# Altium PCB DSD_SDR_MainBoard_Quad.PcbDoc (part 1 of 2)
Units mm, origin at the board's own origin, x right, y up, seen from the top; angles counter-clockwise.
Board outline 143.13 x 116.33 mm, 2 copper layers (Top Layer, Bottom Layer), stack 1.569 mm thick; 92 components, 70 nets, 373 pads, 98 vias.
Unrouted connection lines stored in the file: 1.
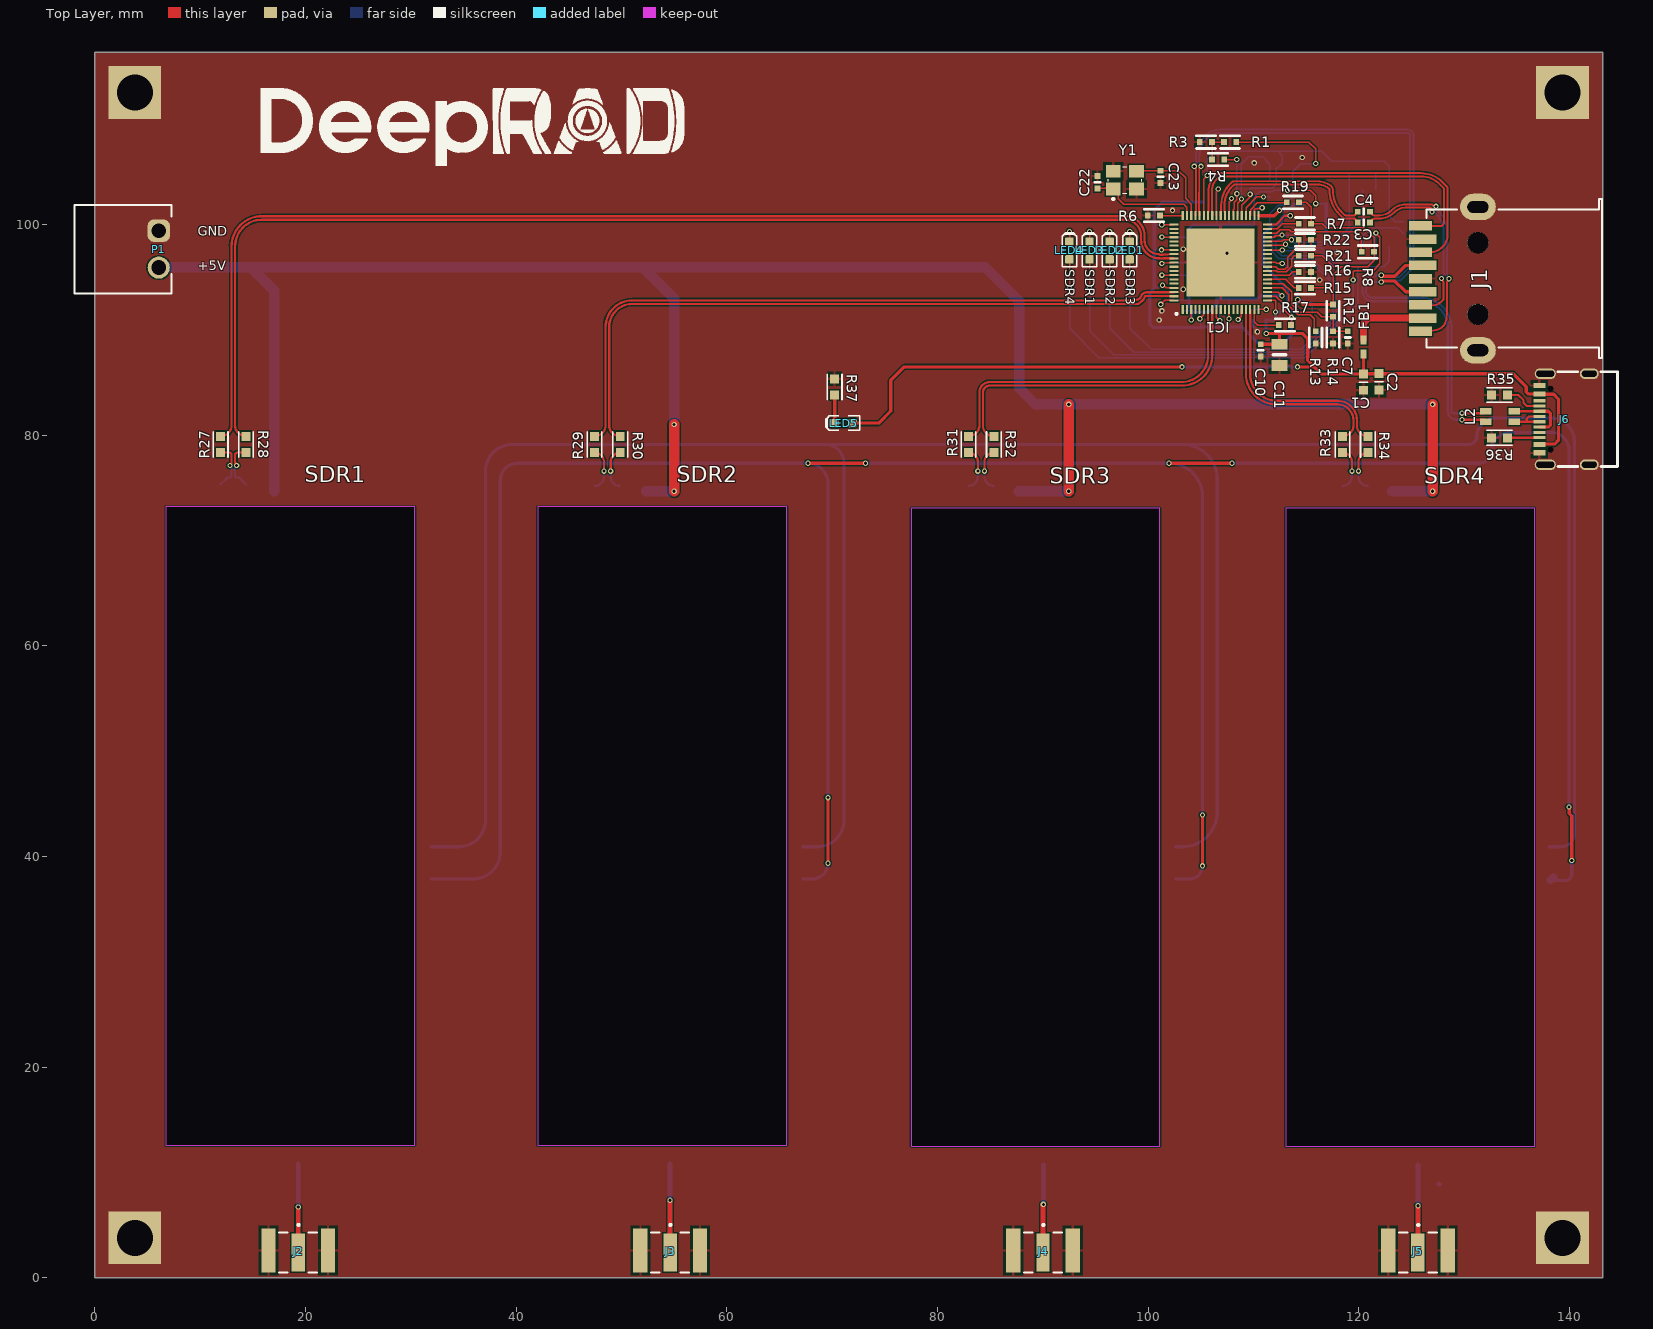
[diagram p0: Top Layer view]
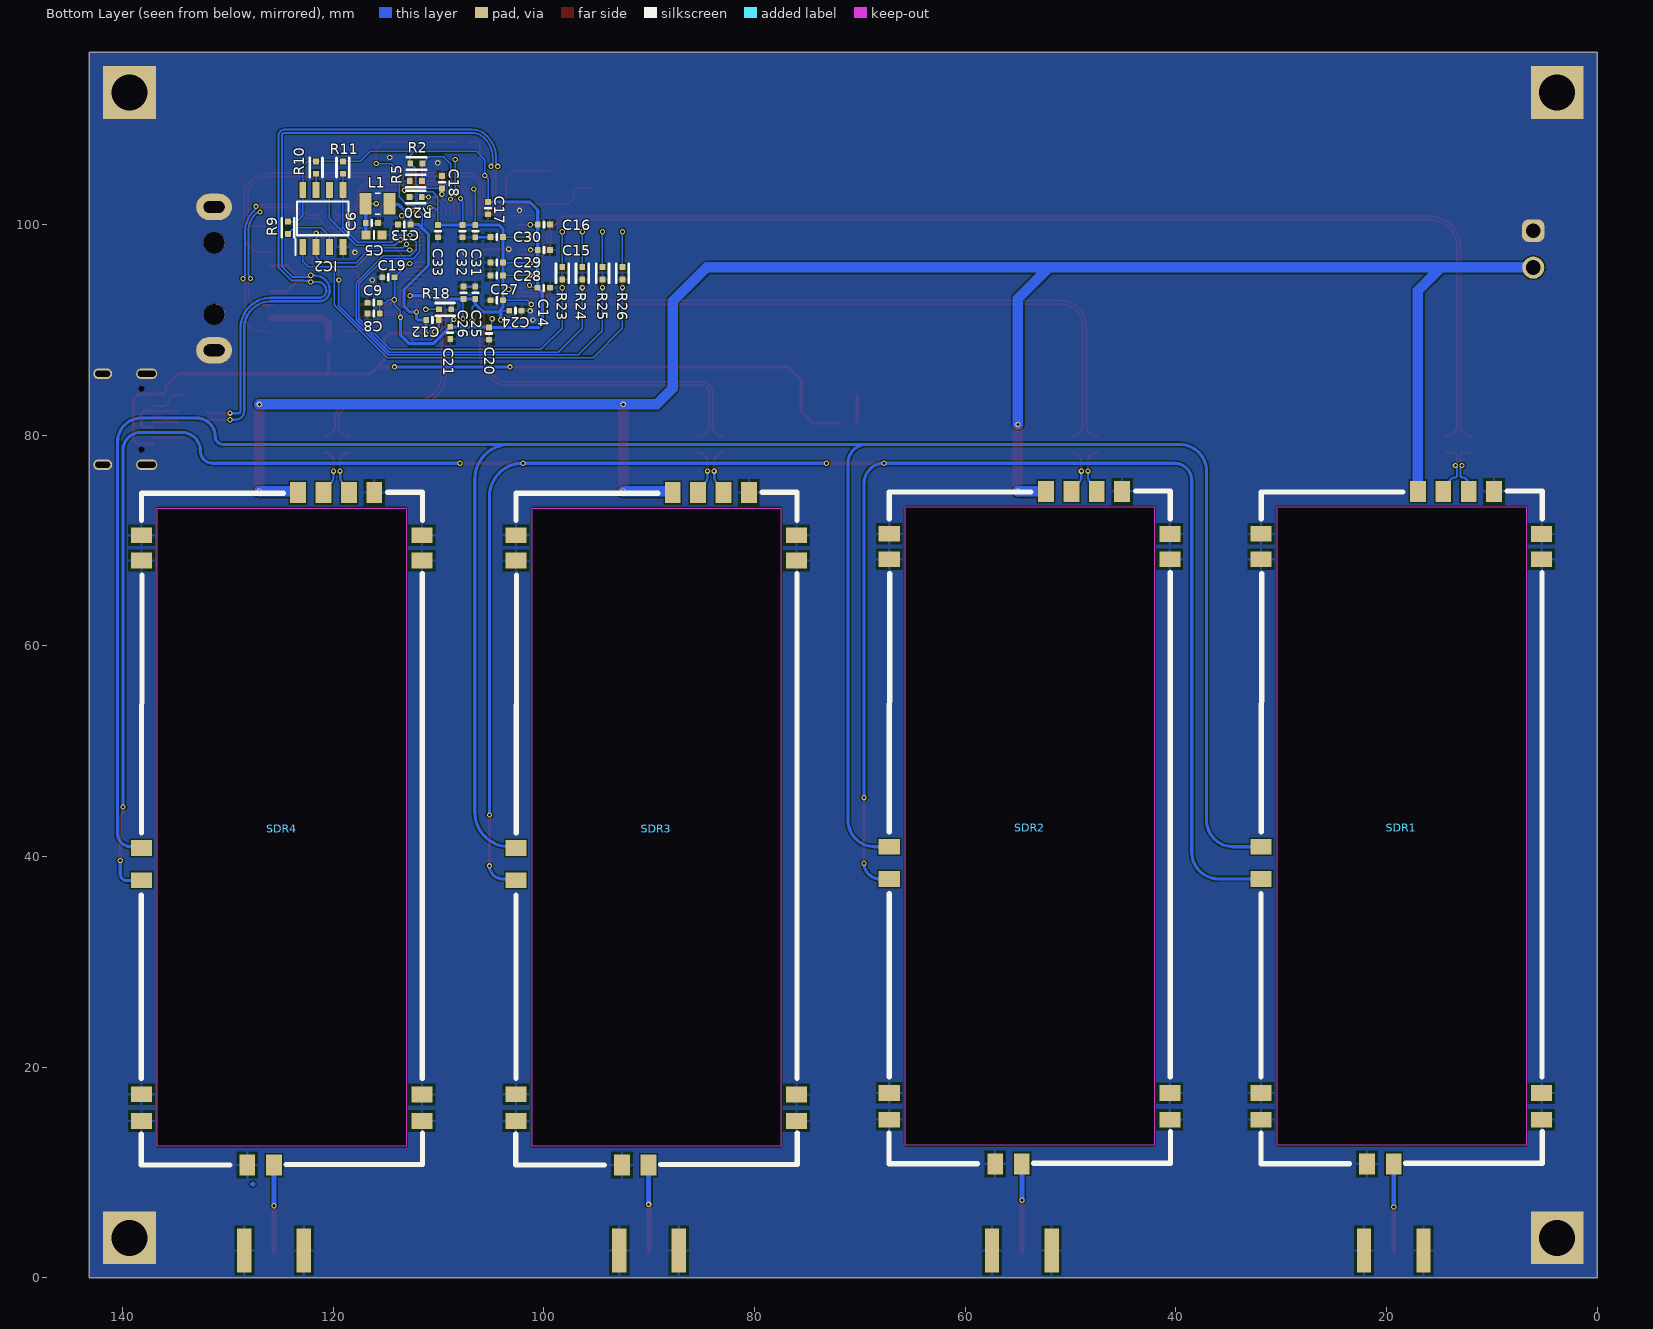
[diagram p1: Bottom Layer view, seen from below]
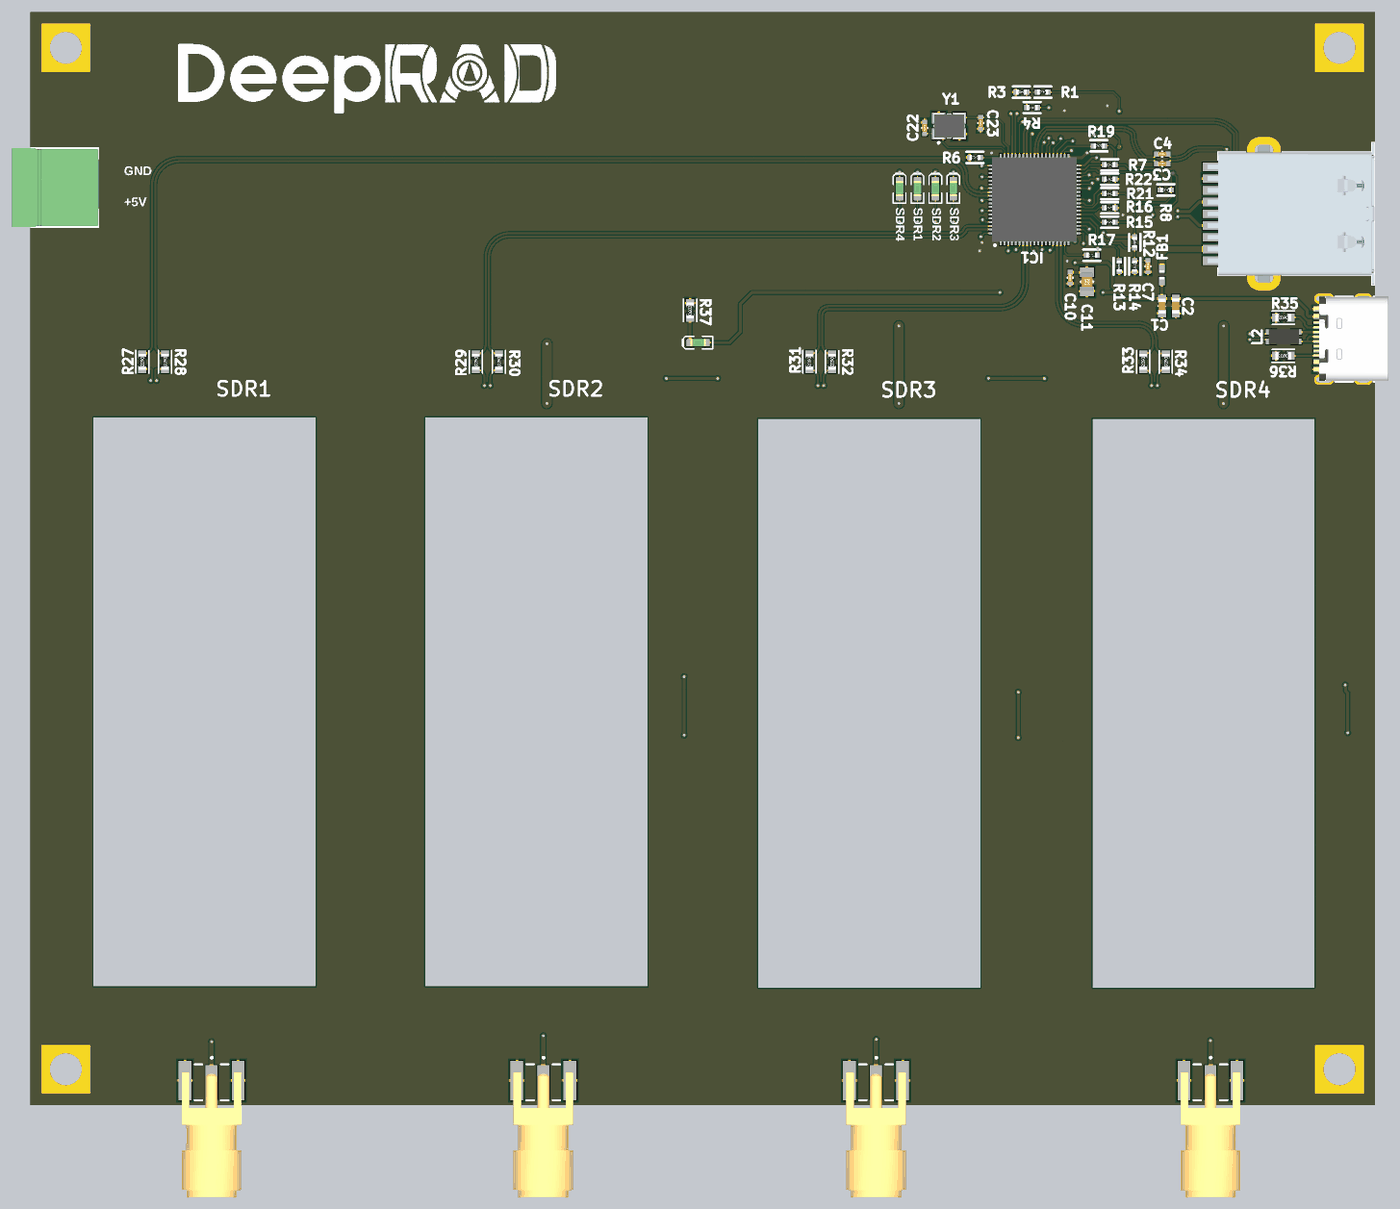
[diagram p3: 3D render of the assembled board from above, using the file's embedded part models]
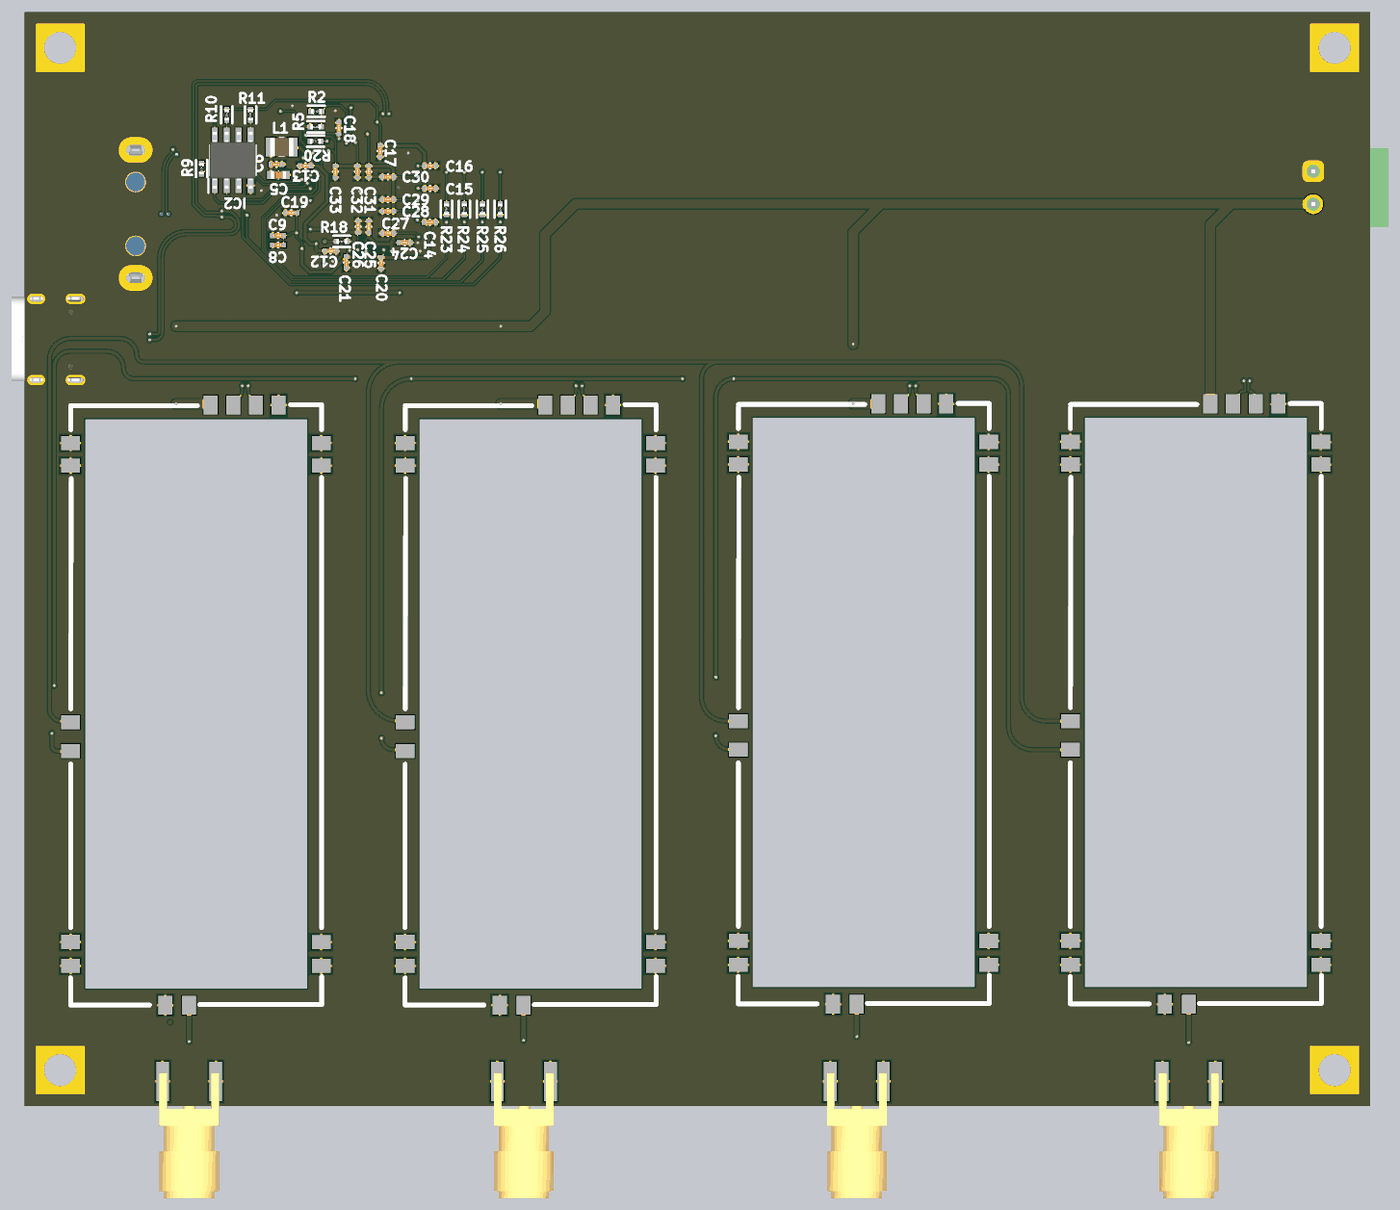
[diagram p4: 3D render of the assembled board from below, using the file's embedded part models]

## Layer stack, top to bottom
Top Solder: solder mask 0.0254, SM-001, Dk 4
Top Layer: signal copper 0.035
Dielectric 1: core 1.4986, Core-043, Dk 4.3
Bottom Layer: signal copper 0.035
Bottom Solder: solder mask 0.0254, SM-001, Dk 4

## Board outline
0,0 0,116.332 143.129,116.332 143.129,0

## Design rules (kind name [scope] priority, off if disabled: settings)
Clearance [All] p1: gap=0.127 ignorepadtopadclearanceinfootprint=FALSE except(0: Arc-Hole Track-Hole SMDPad-Hole THPad-Hole Via-Hole Fill-Hole Poly-Hole Region-Hole Text-Hole)
DiffPairsRouting [All] p1: maxlimit=0.127 minlimit=0.127 mostfreqgap=0.127 toplayer_minwidth=0.211 toplayer_maxwidth=0.211 toplayer_prefwidth=0.211 bottomlayer_minwidth=0.211 bottomlayer_maxwidth=0.211 bottomlayer_prefwidth=0.211 impedanceprofiledriven=TRUE impedanceprofileid={8C1FA2FF-CE2A-4BE0-B215-D946E021C4E5} impedanceprofilevalue=90.000000 maxuncoupledlength=12.7
HoleSize [All] p1: absolutevalues=TRUE maxlimit=5 minlimit=0.025 maxpercent=80.000 minpercent=20.000
MinimumSolderMaskSliver [All] p1: minsoldermaskwidth=0
PlaneConnect PlaneConnect_1 [InNet('GNDAA')] p1: planeconnectstyle=Direct reliefexpansion=0.508 reliefentries=4 reliefconductorwidth=0.254 reliefairgap=0.254
PlaneConnect [All] p2: planeconnectstyle=Direct reliefexpansion=0.508 reliefentries=4 reliefconductorwidth=0.254 reliefairgap=0.254
PolygonConnect [All] p1: thpad.connectstyle=Direct thpad.reliefconductorwidth=0.254 thpad.reliefentries=4 thpad.polygonreliefangle="90 Angle" thpad.airgapwidth=0.254 smdpad.connectstyle=Relief smdpad.reliefconductorwidth=0.254 smdpad.reliefentries=4 smdpad.polygonreliefangle="90 Angle" smdpad.airgapwidth=0.254 via.connectstyle=Direct via.reliefconductorwidth=0.254 via.reliefentries=4 via.polygonreliefangle="90 Angle" via.airgapwidth=0.254
RoutingVias [All] p1: holewidth=0.3 width=0.5 viastyle="Through Hole" minholewidth=0.3 minwidth=0.5 maxholewidth=4.5 maxwidth=5
SilkToSilkClearance [All] p1: silktosilkclearance=0
SilkToSolderMaskClearance [IsPad] p1: minsilkscreentomaskgap=0 clearancetoexposedcopper=TRUE
SolderMaskExpansion [All] p1: expansion=0.1 istentingtop=FALSE
SupplyNets "Schematic Supply Nets_4" [InNet('GND')] p1: voltage=0.000
SupplyNets "Schematic Supply Nets_3" [InNet('3_3V')] p2: voltage=0.000
SupplyNets "Schematic Supply Nets_2" [InNet('5VBus')] p3: voltage=0.000
SupplyNets "Schematic Supply Nets_1" [InNet('1_1V')] p4: voltage=0.000
SupplyNets "Schematic Supply Nets" [InNet('VBUS')] p5: voltage=0.000
Width RF [InNetClass('RF')] p1: maxlimit=0.463 minlimit=0.463 preferedwidth=0.463 impedanceprofiledriven=TRUE impedanceprofileid={0326D5ED-1C12-4793-8031-783421991229} impedanceprofilevalue=50.000000 minimp=50.000000 maximp=50.000000 favimp=50.000000
Width [All] p2: maxlimit=1.016 minlimit=0.127 preferedwidth=0.254
24 further rules are at their usual default settings.

## Classes and differential pairs
component class DSD_SDR_MainBoard_Quad: J2 J3 J4 J5 P1 R27 R28 R29 R30 R31 R32 R33 R34 SDR1 SDR2 SDR3 SDR4
net class RF: NetJ2_1 NetJ3_1 NetJ4_1 NetJ5_1
differential pair USBDP0: +USBDP0_P -USBDP0_N
differential pair SSTX0: +SSTX0_P -SSTX0_N
differential pair SSRX0: +SSRX0_P -SSRX0_N
differential pair 0SSTX: +0SSTX_P -0SSTX_N
differential pair A1: +A1_P -A1_N
differential pair B4: +B4_P -B4_N
differential pair B3: +B3_P -B3_N
differential pair B2: +B2_P -B2_N
differential pair A4: +A4_P -A4_N
differential pair A3: +A3_P -A3_N
differential pair A2: +A2_P -A2_N
differential pair B1: +B1_P -B1_N

## Components (designator, comment, footprint, x,y, rotation, side; value= is the part's Value field where it differs from the comment)
C1 "10µF" SMD-0603C 120.448,85.044 r0 top
C2 "2.2µF" SMD-0603C 121.916,85.065 r0 top
C3 "0.10µF" SMD-0402C 120.468,100.203 r90 top
C4 "0.10µF" SMD-0402C 120.468,101.219 r90 top
C5 "10µF" SMD-0603C 116.116,99.008 r90 bottom
C6 "0.10µF" SMD-0402C 116.318,100.146 r90 bottom
C7 "1µF" SMD-0402C 118.944,89.281 r0 top
C8 "0.10µF" SMD-0402C 116.15,91.567 r270 bottom
C9 "4.7µF" SMD-0402C 116.15,92.583 r270 bottom
C10 "0.10µF" SMD-0402C 110.677,88.056 r0 top
C11 "10µF" SMD-0805C 112.467,87.63 r180 top
C12 "1µF" SMD-0402C 110.562,90.932 r90 bottom
C13 "1µF" SMD-0402C 113.24,99.992 r270 bottom
C14 "0.10µF" SMD-0402C 99.999,93.993 r90 bottom
C15 "0.10µF" SMD-0402C 99.979,97.586 r90 bottom
C16 "0.10µF" SMD-0402C 99.979,99.992 r90 bottom
C17 "0.10µF" SMD-0402C 105.286,101.556 r180 bottom
C18 "0.10µF" SMD-0402C 109.673,104.013 r0 bottom
C19 "0.10µF" SMD-0402C 114.753,94.996 r270 bottom
C20 "0.10µF" SMD-0402C 105.193,89.652 r180 bottom
C21 "0.10µF" SMD-0402C 108.886,89.722 r180 bottom
C22 "18pF" SMD-0402C 95.195,104.013 r180 top
C23 "18pF" SMD-0402C 101.164,104.521 r0 top
C24 "0.10µF" SMD-0402C 102.688,91.821 r90 bottom
C25 "0.10µF" SMD-0402C 106.498,93.523 r0 bottom
C26 "0.10µF" SMD-0402C 107.632,93.523 r0 bottom
C27 "0.10µF" SMD-0402C 104.466,92.812 r270 bottom
C28 "0.10µF" SMD-0402C 104.466,95.158 r270 bottom
C29 "0.10µF" SMD-0402C 104.466,96.393 r270 bottom
C30 "0.10µF" SMD-0402C 104.466,98.806 r270 bottom
C31 "0.10µF" SMD-0402C 106.498,99.37 r180 bottom
C32 "0.10µF" SMD-0402C 107.702,99.37 r180 bottom
C33 "0.10µF" SMD-0402C 110.048,99.37 r180 bottom
FB1 "10Ohm" WE-CBA_0402_L1W0.5H0.5_HC 120.439,88.367 r270 top
IC1 "VL817-Q7_B0_" QFN40P900X900X90-77N-D 106.879,96.393 r90 top
IC2 "SST25VF512A-33-4C-SAE" SOIC127P600X175-8N 120.976,100.584 r90 bottom
J1 "692122030100" 692122030100 134.747,94.869 r90 top
J2 "SMA-J-P-H-ST-EM1" SAMTEC_SMA-J-P-H-ST-EM1 19.304,2.413 r0 top
J3 "SMA-J-P-H-ST-EM1" SAMTEC_SMA-J-P-H-ST-EM1 54.61,2.413 r0 top
J4 "SMA-J-P-H-ST-EM1" SAMTEC_SMA-J-P-H-ST-EM1 90.012,2.413 r0 top
J5 "SMA-J-P-H-ST-EM1" SAMTEC_SMA-J-P-H-ST-EM1 125.603,2.413 r0 top
J6 "DX07S016JA1R1500" JAE_DX07S016JA1R1500 140.601,81.398 r90 top
L1 "4.7uH" INDC2518X200N 115.769,101.981 r0 bottom
L2 "90Ohm" WE-CNSW_1206 133.397,81.78 r180 top
LED1 "Green" LED-0603-GREEN 98.235,97.536 r90 top
LED2 "Green" LED-0603-GREEN 96.33,97.536 r90 top
LED3 "Green" LED-0603-GREEN 94.425,97.536 r90 top
LED4 "Green" LED-0603-GREEN 92.52,97.536 r90 top
LED5 "Green" LED-0603-GREEN 71.081,81.153 r180 top
P1 "691322110002" 691322110002 2.667,97.663 r270 top
R1 "4.7k" SMD-0402-RES 107.768,107.823 r90 top
R2 "10k" SMD-0402-RES 112.086,105.791 r270 bottom
R3 "10k" SMD-0402-RES 105.482,107.823 r90 top
R4 "100k" SMD-0402-RES 106.625,106.172 r270 top
R5 "10k" SMD-0402-RES 112.137,104.14 r270 bottom
R6 "6.04k" SMD-0402-RES 100.542,100.863 r90 top
R7 "10k" SMD-0402-RES 114.88,100.076 r90 top
R8 "10k" SMD-0402-RES 120.849,97.409 r90 top
R9 "10k" SMD-0402-RES 124.278,99.695 r0 bottom
R10 "10k" SMD-0402-RES 121.611,105.41 r0 bottom
R11 "10k" SMD-0402-RES 119.071,105.41 r0 bottom
R12 "10k" SMD-0402-RES 117.547,91.821 r180 top
R13 "4.7k" SMD-0402-RES 115.896,89.281 r180 top
R14 "100k" SMD-0402-RES 117.547,89.281 r0 top
R15 "10k" SMD-0402-RES 114.88,93.98 r270 top
R16 "10k" SMD-0402-RES 114.88,95.504 r270 top
R17 "10k" SMD-0402-RES 112.978,90.459 r270 top
R18 "10k" SMD-0402-RES 109.368,91.948 r270 bottom
R19 "10k" SMD-0402-RES 113.737,102.108 r270 top
R20 "10k" SMD-0402-RES 112.162,102.616 r90 bottom
R21 "10k" SMD-0402-RES 114.88,97.028 r270 top
R22 "10k" SMD-0402-RES 114.88,98.552 r270 top
R23 "470" SMD-0402-RES 98.243,95.377 r0 bottom
R24 "470" SMD-0402-RES 96.341,95.377 r0 bottom
R25 "470" SMD-0402-RES 94.413,95.377 r0 bottom
R26 "470" SMD-0402-RES 92.531,95.377 r0 bottom
R27 "0.0" SMD-0603-RES 11.938,79.121 r180 top
R28 "0.0" SMD-0603-RES 14.351,79.121 r180 top
R29 "0.0" SMD-0603-RES 47.43,79.121 r180 top
R30 "0.0" SMD-0603-RES 49.877,79.121 r180 top
R31 "0.0" SMD-0603-RES 82.931,79.121 r180 top
R32 "0.0" SMD-0603-RES 85.344,79.121 r180 top
R33 "0.0" SMD-0603-RES 118.447,79.121 r180 top
R34 "0.0" SMD-0603-RES 120.849,79.121 r180 top
R35 "5.1k" SMD-0603-RES 133.35,83.82 r90 top
R36 "5.1k" SMD-0603-RES 133.35,79.756 r90 top
R37 "5.1k" SMD-0603-RES 70.231,84.582 r0 top
SDR1 "SDR_Module" SDR 5.226,70.649 r0 top
SDR2 "SDR_Module" SDR 40.532,70.649 r0 top
SDR3 "SDR_Module" SDR 75.962,70.522 r0 top
SDR4 "SDR_Module" SDR 111.525,70.522 r0 top
Y1 "ABM8G-25.000MHZ-18-D-2-Y-T3" ABM8G16000MHZB4YT 97.783,104.217 r0 top
